# KiCad board panel.kicad_pcb (continued)
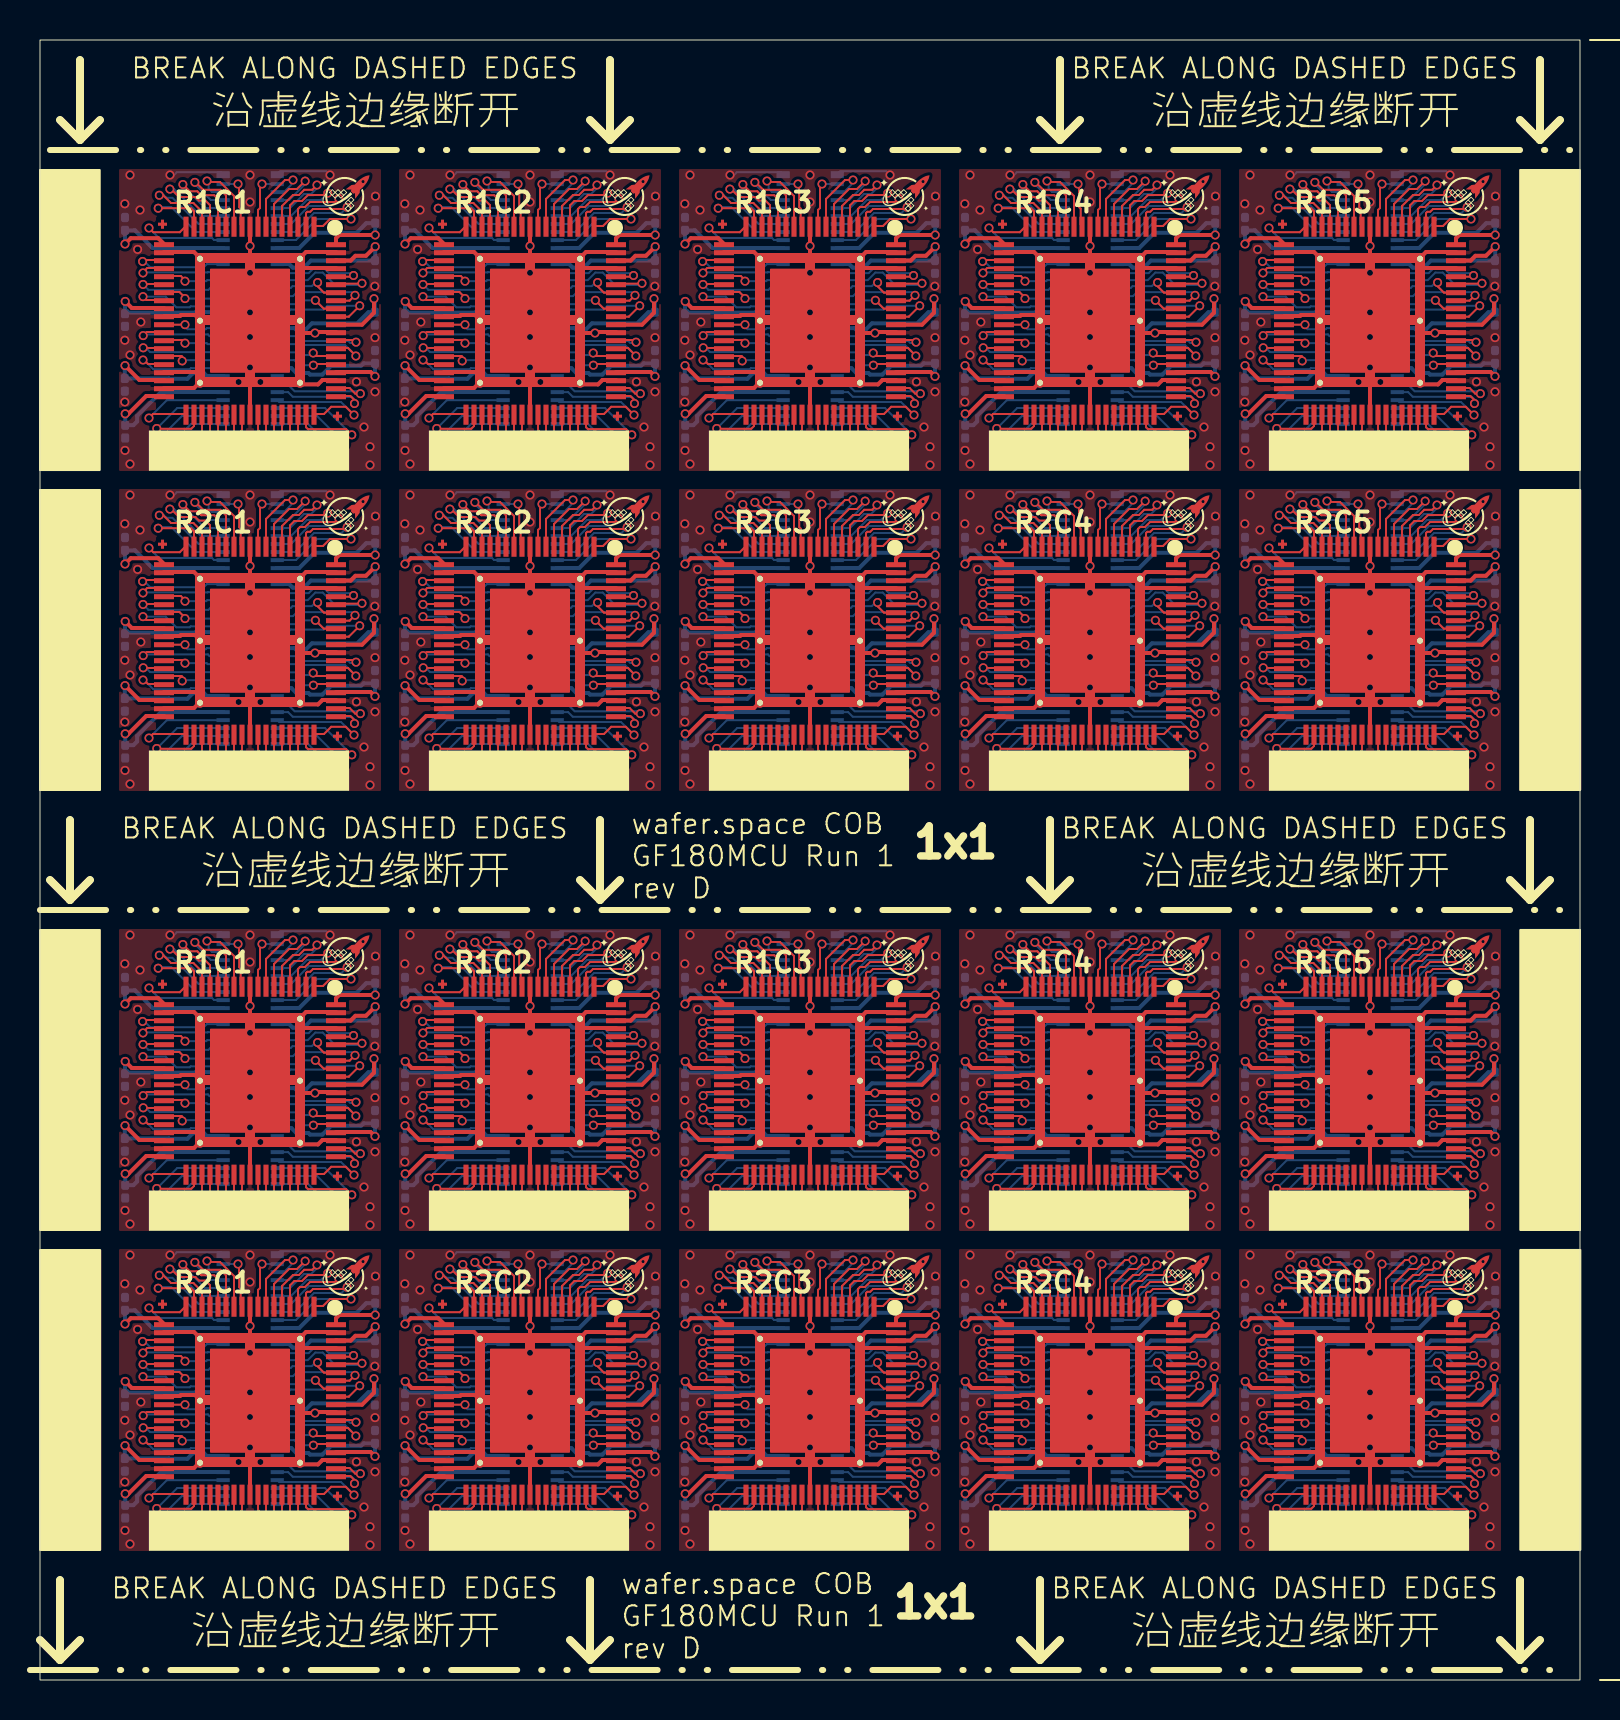
[diagram p0: board, top side]
## Routing (per net, layer and track width the routed paths; a pad name or vN(x,y) marks a point on that pad's centre or on a via; arc(x,y) is an arc through that point) (continued)
  Bottom w0.1: v1(69.66,50.35) 69.56,50.25 69,50.25 68.86,50.39 67.88,50.39 67.87,50.39 ; v1(27.66,50.35) 27.56,50.25 27,50.25 26.86,50.39 25.87,50.39 25.87,50.39 ; v1(69.66,28.35) 69.56,28.25 69,28.25 68.86,28.39 67.88,28.39 67.87,28.39 ; v1(13.66,28.35) 13.56,28.25 13,28.25 12.86,28.39 11.87,28.39 11.87,28.39 ; v1(41.66,66.35) 41.56,66.25 41,66.25 40.86,66.38 39.87,66.38 U105#2.22 ; v1(27.66,12.35) 27.56,12.25 27,12.25 26.86,12.39 25.87,12.39 25.87,12.39 ; v1(69.66,12.35) 69.56,12.25 69,12.25 68.86,12.39 67.88,12.39 67.87,12.39 ; v1(13.66,66.35) 13.56,66.25 13,66.25 12.86,66.38 11.87,66.38 U101.22 ; v1(55.66,50.35) 55.56,50.25 55,50.25 54.86,50.39 53.87,50.39 53.87,50.39 ; 53.87,12.39 53.87,12.39 54.86,12.39 55,12.25 55.56,12.25 v1(55.66,12.35) ; v1(27.66,66.35) 27.56,66.25 27,66.25 26.86,66.38 25.87,66.38 U103#2.22 ; v1(13.66,50.35) 13.56,50.25 13,50.25 12.86,50.39 11.87,50.39 11.87,50.39 ; v1(41.66,50.35) 41.56,50.25 41,50.25 40.86,50.39 39.87,50.39 39.87,50.39 ; 25.87,28.39 25.87,28.39 26.86,28.39 27,28.25 27.56,28.25 v1(27.66,28.35) ; v1(41.66,28.35) 41.56,28.25 41,28.25 40.86,28.39 39.87,28.39 39.87,28.39 ; 53.87,28.39 53.87,28.39 54.86,28.39 55,28.25 55.56,28.25 v1(55.66,28.35) ; 39.87,12.39 39.87,12.39 40.86,12.39 41,12.25 41.56,12.25 v1(41.66,12.35) ; v1(69.66,66.35) 69.56,66.25 69,66.25 68.86,66.38 67.88,66.38 U109.22 ; 11.87,12.39 11.87,12.39 12.86,12.39 13,12.25 13.56,12.25 v1(13.66,12.35) ; U107.22 53.87,66.38 54.86,66.38 55,66.25 55.56,66.25 v1(55.66,66.35)
/pad_60: length 109.2
  Top w0.1: 42.8,12.6 43.4,12.6 43.71,12.29 43.8,12.29 43.79,12.28 v1(43.79,12.2) ; v1(71.79,12.2) 71.79,12.28 71.8,12.29 71.71,12.29 71.4,12.6 70.8,12.6 ; v1(71.79,66.2) 71.79,66.28 71.8,66.29 71.71,66.29 71.4,66.6 70.8,66.6 ; 14.8,28.6 15.4,28.6 15.71,28.29 15.8,28.29 15.79,28.28 v1(15.79,28.2) ; v1(29.79,28.2) 29.79,28.28 29.8,28.29 29.71,28.29 29.4,28.6 28.8,28.6 ; v1(43.79,50.2) 43.79,50.28 43.8,50.29 43.71,50.29 43.4,50.6 42.8,50.6 ; 56.8,50.6 57.4,50.6 57.71,50.29 57.8,50.29 57.79,50.28 v1(57.79,50.2) ; v1(43.79,28.2) 43.79,28.28 43.8,28.29 43.71,28.29 43.4,28.6 42.8,28.6 ; v1(29.79,50.2) 29.79,50.28 29.8,50.29 29.71,50.29 29.4,50.6 28.8,50.6 ; v1(15.79,66.2) 15.79,66.28 15.8,66.29 15.71,66.29 15.4,66.6 14.8,66.6 ; v1(57.79,28.2) 57.79,28.28 57.8,28.29 57.71,28.29 57.4,28.6 56.8,28.6 ; 14.8,12.6 15.4,12.6 15.71,12.29 15.8,12.29 15.79,12.28 v1(15.79,12.2) ; v1(15.79,50.2) 15.79,50.28 15.8,50.29 15.71,50.29 15.4,50.6 14.8,50.6 ; 70.8,50.6 71.4,50.6 71.71,50.29 71.8,50.29 71.79,50.28 v1(71.79,50.2) ; 56.8,12.6 57.4,12.6 57.71,12.29 57.8,12.29 57.79,12.28 v1(57.79,12.2) ; 28.8,12.6 29.4,12.6 29.71,12.29 29.8,12.29 29.79,12.28 v1(29.79,12.2) ; v1(43.79,66.2) 43.79,66.28 43.8,66.29 43.71,66.29 43.4,66.6 42.8,66.6 ; 70.8,28.6 71.4,28.6 71.71,28.29 71.8,28.29 71.79,28.28 v1(71.79,28.2) ; v1(29.79,66.2) 29.79,66.28 29.8,66.29 29.71,66.29 29.4,66.6 28.8,66.6 ; 56.8,66.6 57.4,66.6 57.71,66.29 57.8,66.29 57.79,66.28 v1(57.79,66.2)
  Bottom w0.1: U111#2.21 12.95,12.8 12.99,12.75 15.25,12.75 15.71,12.29 15.8,12.29 15.79,12.28 v1(15.79,12.2) ; U119.21 68.95,12.8 69,12.75 71.25,12.75 71.71,12.29 71.8,12.29 71.79,12.28 v1(71.79,12.2) ; v1(57.79,28.2) 57.79,28.28 57.8,28.29 57.71,28.29 57.25,28.75 54.99,28.75 54.95,28.8 U107#2.21 ; U119#2.21 68.95,50.8 69,50.75 71.25,50.75 71.71,50.29 71.8,50.29 71.79,50.28 v1(71.79,50.2) ; U113.21 26.95,12.8 26.99,12.75 29.25,12.75 29.71,12.29 29.8,12.29 29.79,12.28 v1(29.79,12.2) ; U103.21 26.95,28.8 26.99,28.75 29.25,28.75 29.71,28.29 29.8,28.29 29.79,28.28 v1(29.79,28.2) ; v1(15.79,66.2) 15.79,66.28 15.8,66.29 15.71,66.29 15.25,66.75 12.99,66.75 12.95,66.8 U101.21 ; U101#2.21 12.95,28.8 12.99,28.75 15.25,28.75 15.71,28.29 15.8,28.29 15.79,28.28 v1(15.79,28.2) ; U111.21 12.95,50.8 12.99,50.75 15.25,50.75 15.71,50.29 15.8,50.29 15.79,50.28 v1(15.79,50.2) ; v1(43.79,66.2) 43.79,66.28 43.8,66.29 43.71,66.29 43.25,66.75 40.99,66.75 40.95,66.8 U105#2.21 ; v1(57.79,66.2) 57.79,66.28 57.8,66.29 57.71,66.29 57.25,66.75 54.99,66.75 54.95,66.8 U107.21 ; U105.21 40.95,28.8 40.99,28.75 43.25,28.75 43.71,28.29 43.8,28.29 43.79,28.28 v1(43.79,28.2) ; v1(29.79,66.2) 29.79,66.28 29.8,66.29 29.71,66.29 29.25,66.75 26.99,66.75 26.95,66.8 U103#2.21 ; v1(43.79,50.2) 43.79,50.28 43.8,50.29 43.71,50.29 43.25,50.75 40.99,50.75 40.95,50.8 U115.21 ; U109#2.21 68.95,28.8 69,28.75 71.25,28.75 71.71,28.29 71.8,28.29 71.79,28.28 v1(71.79,28.2) ; U117#2.21 54.95,50.8 54.99,50.75 57.25,50.75 57.71,50.29 57.8,50.29 57.79,50.28 v1(57.79,50.2) ; v1(71.79,66.2) 71.79,66.28 71.8,66.29 71.71,66.29 71.25,66.75 69,66.75 68.95,66.8 U109.21 ; v1(29.79,50.2) 29.79,50.28 29.8,50.29 29.71,50.29 29.25,50.75 26.99,50.75 26.95,50.8 U113#2.21 ; U117.21 54.95,12.8 54.99,12.75 57.25,12.75 57.71,12.29 57.8,12.29 57.79,12.28 v1(57.79,12.2) ; v1(43.79,12.2) 43.79,12.28 43.8,12.29 43.71,12.29 43.25,12.75 40.99,12.75 40.95,12.8 U115#2.21
/pad_61: length 104.4
  Top w0.1: v1(43.8,12.89) 43.8,12.9 43.71,13 42.8,13 ; v1(57.8,12.89) 57.8,12.9 57.71,13 56.8,13 ; 42.8,67 43.71,67 43.8,66.9 v1(43.8,66.89) ; 14.8,67 15.71,67 15.8,66.9 v1(15.8,66.89) ; 70.8,67 71.71,67 71.8,66.9 v1(71.8,66.89) ; v1(15.8,28.89) 15.8,28.9 15.71,29 14.8,29 ; 42.8,51 43.71,51 43.8,50.9 v1(43.8,50.89) ; v1(15.8,12.89) 15.8,12.9 15.71,13 14.8,13 ; 28.8,51 29.71,51 29.8,50.9 v1(29.8,50.89) ; 70.8,29 71.71,29 71.8,28.9 v1(71.8,28.89) ; v1(57.8,50.89) 57.8,50.9 57.71,51 56.8,51 ; 28.8,67 29.71,67 29.8,66.9 v1(29.8,66.89) ; 70.8,51 71.71,51 71.8,50.9 v1(71.8,50.89) ; 56.8,29 57.71,29 57.8,28.9 v1(57.8,28.89) ; 42.8,29 43.71,29 43.8,28.9 v1(43.8,28.89) ; 70.8,13 71.71,13 71.8,12.9 v1(71.8,12.89) ; v1(15.8,50.89) 15.8,50.9 15.71,51 14.8,51 ; v1(29.8,28.89) 29.8,28.9 29.71,29 28.8,29 ; v1(29.8,12.89) 29.8,12.9 29.71,13 28.8,13 ; 56.8,67 57.71,67 57.8,66.9 v1(57.8,66.89)
  Bottom w0.1: v1(43.8,12.89) 43.8,12.94 43.71,12.85 43.52,12.85 43.42,12.95 41.24,12.95 41,13.2 U115#2.20 ; U101.20 13,67.19 13.24,66.95 15.42,66.95 15.52,66.85 15.71,66.85 15.8,66.94 v1(15.8,66.89) ; v1(71.8,28.89) 71.8,28.94 71.71,28.85 71.52,28.85 71.42,28.95 69.24,28.95 69,29.2 U109#2.20 ; U109.20 69,67.19 69.24,66.95 71.42,66.95 71.52,66.85 71.71,66.85 71.8,66.94 v1(71.8,66.89) ; v1(29.8,12.89) 29.8,12.94 29.71,12.85 29.52,12.85 29.42,12.95 27.24,12.95 27,13.2 U113.20 ; v1(57.8,66.89) 57.8,66.94 57.71,66.85 57.52,66.85 57.42,66.95 55.24,66.95 55,67.19 U107.20 ; U113#2.20 27,51.2 27.24,50.95 29.42,50.95 29.52,50.85 29.71,50.85 29.8,50.94 v1(29.8,50.89) ; U111.20 13,51.2 13.24,50.95 15.42,50.95 15.52,50.85 15.71,50.85 15.8,50.94 v1(15.8,50.89) ; U111#2.20 13,13.2 13.24,12.95 15.42,12.95 15.52,12.85 15.71,12.85 15.8,12.94 v1(15.8,12.89) ; v1(57.8,28.89) 57.8,28.94 57.71,28.85 57.52,28.85 57.42,28.95 55.24,28.95 55,29.2 U107#2.20 ; v1(71.8,12.89) 71.8,12.94 71.71,12.85 71.52,12.85 71.42,12.95 69.24,12.95 69,13.2 U119.20 ; U105.20 41,29.2 41.24,28.95 43.42,28.95 43.52,28.85 43.71,28.85 43.8,28.94 v1(43.8,28.89) ; U103#2.20 27,67.19 27.24,66.95 29.42,66.95 29.52,66.85 29.71,66.85 29.8,66.94 v1(29.8,66.89) ; U117.20 55,13.2 55.24,12.95 57.42,12.95 57.52,12.85 57.71,12.85 57.8,12.94 v1(57.8,12.89) ; v1(43.8,50.89) 43.8,50.94 43.71,50.85 43.52,50.85 43.42,50.95 41.24,50.95 41,51.2 U115.20 ; U103.20 27,29.2 27.24,28.95 29.42,28.95 29.52,28.85 29.71,28.85 29.8,28.94 v1(29.8,28.89) ; U117#2.20 55,51.2 55.24,50.95 57.42,50.95 57.52,50.85 57.71,50.85 57.8,50.94 v1(57.8,50.89) ; U105#2.20 41,67.19 41.24,66.95 43.42,66.95 43.52,66.85 43.71,66.85 43.8,66.94 v1(43.8,66.89) ; v1(15.8,28.89) 15.8,28.94 15.71,28.85 15.52,28.85 15.42,28.95 13.24,28.95 13,29.2 U101#2.20 ; v1(71.8,50.89) 71.8,50.94 71.71,50.85 71.52,50.85 71.42,50.95 69.24,50.95 69,51.2 U119#2.20
/pad_64: length 113.3
  Top w0.1: U110.65 71.44,30.17 v1(71.99,30.71) ; U118#2.65 57.44,52.17 v1(57.99,52.71) ; v1(29.99,30.71) 29.44,30.17 U104.65 ; U108#2.65 57.44,30.17 v1(57.99,30.71) ; U114#2.65 29.44,52.17 v1(29.99,52.71) ; U112.65 15.44,14.17 v1(15.99,14.71) ; U118.65 57.44,14.17 v1(57.99,14.71) ; U110#2.65 71.44,68.16 v1(71.99,68.71) ; v1(57.99,68.71) 57.44,68.16 U108.65 ; U102.65 15.44,30.17 v1(15.99,30.71) ; v1(71.99,52.71) 71.44,52.17 U120#2.65 ; U102#2.65 15.44,68.16 v1(15.99,68.71) ; U112#2.65 15.44,52.17 v1(15.99,52.71) ; v1(43.99,68.71) 43.44,68.16 U106#2.65 ; v1(43.99,52.71) 43.44,52.17 U116#2.65 ; U120.65 71.44,14.17 v1(71.99,14.71) ; v1(29.99,68.71) 29.44,68.16 U104#2.65 ; v1(43.99,30.71) 43.44,30.17 U106.65 ; U116.65 43.44,14.17 v1(43.99,14.71) ; v1(29.99,14.71) 29.44,14.17 U114.65
  Bottom w0.1: 67.87,14.39 68.41,14.39 68.54,14.53 70.19,14.53 70.38,14.71 v1(71.99,14.71) ; v1(43.99,30.71) 42.38,30.71 42.19,30.53 40.54,30.53 40.41,30.39 39.87,30.39 ; 53.87,30.39 54.41,30.39 54.54,30.53 56.19,30.53 56.38,30.71 v1(57.99,30.71) ; 11.87,52.39 12.41,52.39 12.54,52.53 14.19,52.53 14.38,52.71 v1(15.99,52.71) ; v1(57.99,68.71) 56.38,68.71 56.19,68.53 54.54,68.53 54.41,68.4 U107.17 ; 53.87,52.39 54.41,52.39 54.54,52.53 56.19,52.53 56.38,52.71 v1(57.99,52.71) ; v1(57.99,14.71) 56.38,14.71 56.19,14.53 54.54,14.53 54.41,14.39 53.87,14.39 ; v1(29.99,68.71) 28.38,68.71 28.19,68.53 26.54,68.53 26.41,68.4 U103#2.17 ; U101.17 12.41,68.4 12.54,68.53 14.19,68.53 14.38,68.71 v1(15.99,68.71) ; U109.17 68.41,68.4 68.54,68.53 70.19,68.53 70.38,68.71 v1(71.99,68.71) ; 25.87,52.39 26.41,52.39 26.54,52.53 28.19,52.53 28.38,52.71 v1(29.99,52.71) ; 39.87,52.39 40.41,52.39 40.54,52.53 42.19,52.53 42.38,52.71 v1(43.99,52.71) ; v1(43.99,14.71) 42.38,14.71 42.19,14.53 40.54,14.53 40.41,14.39 39.87,14.39 ; v1(71.99,52.71) 70.38,52.71 70.19,52.53 68.54,52.53 68.41,52.39 67.87,52.39 ; v1(15.99,30.71) 14.38,30.71 14.19,30.53 12.54,30.53 12.41,30.39 11.87,30.39 ; v1(29.99,30.71) 28.38,30.71 28.19,30.53 26.54,30.53 26.41,30.39 25.87,30.39 ; 67.87,30.39 68.41,30.39 68.54,30.53 70.19,30.53 70.38,30.71 v1(71.99,30.71) ; U105#2.17 40.41,68.4 40.54,68.53 42.19,68.53 42.38,68.71 v1(43.99,68.71) ; v1(15.99,14.71) 14.38,14.71 14.19,14.53 12.54,14.53 12.41,14.39 11.87,14.39 ; 25.87,14.39 26.41,14.39 26.54,14.53 28.19,14.53 28.38,14.71 v1(29.99,14.71)
/pad_65: length 63.8
  Top w0.1: U118.66 56.19,14.56 v1(55.77,14.98) ; U102#2.66 14.19,68.56 v1(13.77,68.98) ; U102.66 14.19,30.56 v1(13.77,30.98) ; U114#2.66 28.19,52.56 v1(27.77,52.98) ; v1(69.77,52.98) 70.19,52.56 U120#2.66 ; U104#2.66 28.19,68.56 v1(27.77,68.98) ; v1(69.77,68.98) 70.19,68.56 U110#2.66 ; U106.66 42.19,30.56 v1(41.77,30.98) ; v1(55.77,68.98) 56.19,68.56 U108.66 ; U116.66 42.19,14.56 v1(41.77,14.98) ; v1(13.77,52.98) 14.19,52.56 U112#2.66 ; U110.66 70.19,30.56 v1(69.77,30.98) ; U114.66 28.19,14.56 v1(27.77,14.98) ; v1(13.77,14.98) 14.19,14.56 U112.66 ; U104.66 28.19,30.56 v1(27.77,30.98) ; U120.66 70.19,14.56 v1(69.77,14.98) ; U106#2.66 42.19,68.56 v1(41.77,68.98) ; U116#2.66 42.19,52.56 v1(41.77,52.98) ; U118#2.66 56.19,52.56 v1(55.77,52.98) ; U108#2.66 56.19,30.56 v1(55.77,30.98)
  Bottom w0.1: U109#2.16 68.9,30.8 69.09,30.98 v1(69.77,30.98) ; v1(69.77,52.98) 69.09,52.98 68.9,52.8 U119#2.16 ; v1(55.77,52.98) 55.09,52.98 54.9,52.8 U117#2.16 ; v1(41.77,52.98) 41.09,52.98 40.9,52.8 U115.16 ; v1(69.77,68.98) 69.09,68.98 68.9,68.8 U109.16 ; v1(13.77,14.98) 13.09,14.98 12.9,14.8 U111#2.16 ; U119.16 68.9,14.8 69.09,14.98 v1(69.77,14.98) ; U113#2.16 26.9,52.8 27.09,52.98 v1(27.77,52.98) ; U105.16 40.9,30.8 41.09,30.98 v1(41.77,30.98) ; v1(55.77,68.98) 55.09,68.98 54.9,68.8 U107.16 ; U103.16 26.9,30.8 27.09,30.98 v1(27.77,30.98) ; U115#2.16 40.9,14.8 41.09,14.98 v1(41.77,14.98) ; U103#2.16 26.9,68.8 27.09,68.98 v1(27.77,68.98) ; U107#2.16 54.9,30.8 55.09,30.98 v1(55.77,30.98) ; U111.16 12.9,52.8 13.09,52.98 v1(13.77,52.98) ; U101.16 12.9,68.8 13.09,68.98 v1(13.77,68.98) ; U117.16 54.9,14.8 55.09,14.98 v1(55.77,14.98) ; U105#2.16 40.9,68.8 41.09,68.98 v1(41.77,68.98) ; v1(13.77,30.98) 13.09,30.98 12.9,30.8 U101#2.16 ; U113.16 26.9,14.8 27.09,14.98 v1(27.77,14.98)
/pad_66: length 101.9
  Top w0.1: U108.67 57.48,68.97 v1(57.75,69.23) ; v1(43.75,31.23) 43.48,30.97 U106.67 ; U120.67 71.48,14.97 v1(71.75,15.23) ; U108#2.67 57.48,30.97 v1(57.75,31.23) ; U118.67 57.48,14.97 v1(57.75,15.23) ; v1(15.75,31.23) 15.48,30.97 U102.67 ; v1(29.75,69.23) 29.48,68.97 U104#2.67 ; U120#2.67 71.48,52.97 v1(71.75,53.23) ; v1(15.75,69.23) 15.48,68.97 U102#2.67 ; U110.67 71.48,30.97 v1(71.75,31.23) ; U110#2.67 71.48,68.97 v1(71.75,69.23) ; U116#2.67 43.48,52.97 v1(43.75,53.23) ; v1(43.75,15.23) 43.48,14.97 U116.67 ; v1(29.75,15.23) 29.48,14.97 U114.67 ; v1(29.75,53.23) 29.48,52.97 U114#2.67 ; U112.67 15.48,14.97 v1(15.75,15.23) ; v1(29.75,31.23) 29.48,30.97 U104.67 ; U106#2.67 43.48,68.97 v1(43.75,69.23) ; v1(15.75,53.23) 15.48,52.97 U112#2.67 ; U118#2.67 57.48,52.97 v1(57.75,53.23)
  Bottom w0.1: v1(29.75,53.23) 29.59,53.39 26.85,53.39 26.65,53.2 U113#2.15 ; U105#2.15 40.65,69.19 40.85,69.4 43.59,69.4 v1(43.75,69.23) ; v1(71.75,69.23) 71.59,69.4 68.85,69.4 68.65,69.19 U109.15 ; U105.15 40.65,31.2 40.85,31.39 43.59,31.39 v1(43.75,31.23) ; v1(15.75,31.23) 15.59,31.39 12.85,31.39 12.65,31.2 U101#2.15 ; U117#2.15 54.65,53.2 54.85,53.39 57.59,53.39 v1(57.75,53.23) ; U109#2.15 68.65,31.2 68.85,31.39 71.59,31.39 v1(71.75,31.23) ; v1(43.75,15.23) 43.59,15.39 40.85,15.39 40.65,15.2 U115#2.15 ; v1(15.75,69.23) 15.59,69.4 12.85,69.4 12.65,69.19 U101.15 ; U115.15 40.65,53.2 40.85,53.39 43.59,53.39 v1(43.75,53.23) ; U117.15 54.65,15.2 54.85,15.39 57.59,15.39 v1(57.75,15.23) ; U107.15 54.65,69.19 54.85,69.4 57.59,69.4 v1(57.75,69.23) ; v1(71.75,53.23) 71.59,53.39 68.85,53.39 68.65,53.2 U119#2.15 ; v1(29.75,69.23) 29.59,69.4 26.85,69.4 26.65,69.19 U103#2.15 ; U111.15 12.65,53.2 12.85,53.39 15.59,53.39 v1(15.75,53.23) ; U111#2.15 12.65,15.2 12.85,15.39 15.59,15.39 v1(15.75,15.23) ; v1(29.75,15.23) 29.59,15.39 26.85,15.39 26.65,15.2 U113.15 ; U103.15 26.65,31.2 26.85,31.39 29.59,31.39 v1(29.75,31.23) ; v1(71.75,15.23) 71.59,15.39 68.85,15.39 68.65,15.2 U119.15 ; v1(57.75,31.23) 57.59,31.39 54.85,31.39 54.65,31.2 U107#2.15
/pad_67: length 67.5
  Top w0.1: U106#2.68 42.2,69.37 41.88,69.69 v1(41.88,69.88) ; v1(55.88,31.88) 55.88,31.69 56.2,31.36 U108#2.68 ; U118.68 56.2,15.36 55.88,15.69 v1(55.88,15.88) ; v1(55.88,69.88) 55.88,69.69 56.2,69.37 U108.68 ; U106.68 42.2,31.36 41.88,31.69 v1(41.88,31.88) ; U110.68 70.2,31.36 69.88,31.69 v1(69.88,31.88) ; v1(41.88,15.88) 41.88,15.69 42.2,15.36 U116.68 ; U110#2.68 70.2,69.37 69.88,69.69 v1(69.88,69.88) ; v1(27.88,53.88) 27.88,53.69 28.2,53.36 U114#2.68 ; v1(27.88,31.88) 27.88,31.69 28.2,31.36 U104.68 ; U104#2.68 28.2,69.37 27.88,69.69 v1(27.88,69.88) ; v1(55.88,53.88) 55.88,53.69 56.2,53.36 U118#2.68 ; U120#2.68 70.2,53.36 69.88,53.69 v1(69.88,53.88) ; v1(27.88,15.88) 27.88,15.69 28.2,15.36 U114.68 ; U120.68 70.2,15.36 69.88,15.69 v1(69.88,15.88) ; U102#2.68 14.2,69.37 13.88,69.69 v1(13.88,69.88) ; U102.68 14.2,31.36 13.88,31.69 v1(13.88,31.88) ; U112.68 14.2,15.36 13.88,15.69 v1(13.88,15.88) ; v1(41.88,53.88) 41.88,53.69 42.2,53.36 U116#2.68 ; U112#2.68 14.2,53.36 13.88,53.69 v1(13.88,53.88)
  Bottom w0.1: v1(55.88,53.88) 55.77,53.88 55.59,53.7 54.63,53.7 54.54,53.61 53.87,53.61 U117#2.14 ; U113.14 25.87,15.61 26.54,15.61 26.63,15.7 27.59,15.7 27.77,15.88 v1(27.88,15.88) ; U101.14 11.87,69.61 12.54,69.61 12.63,69.69 13.59,69.69 13.77,69.88 v1(13.88,69.88) ; U113#2.14 25.87,53.61 26.54,53.61 26.63,53.7 27.59,53.7 27.77,53.88 v1(27.88,53.88) ; v1(55.88,69.88) 55.77,69.88 55.59,69.69 54.63,69.69 54.54,69.61 53.87,69.61 U107.14 ; U115.14 39.87,53.61 40.54,53.61 40.63,53.7 41.59,53.7 41.77,53.88 v1(41.88,53.88) ; U109.14 67.88,69.61 68.54,69.61 68.63,69.69 69.59,69.69 69.77,69.88 v1(69.88,69.88) ; v1(41.88,31.88) 41.77,31.88 41.59,31.7 40.63,31.7 40.54,31.61 39.87,31.61 U105.14 ; U115#2.14 39.87,15.61 40.54,15.61 40.63,15.7 41.59,15.7 41.77,15.88 v1(41.88,15.88) ; v1(13.88,15.88) 13.77,15.88 13.59,15.7 12.63,15.7 12.54,15.61 11.87,15.61 U111#2.14 ; U119#2.14 67.88,53.61 68.54,53.61 68.63,53.7 69.59,53.7 69.77,53.88 v1(69.88,53.88) ; v1(55.88,15.88) 55.77,15.88 55.59,15.7 54.63,15.7 54.54,15.61 53.87,15.61 U117.14 ; v1(55.88,31.88) 55.77,31.88 55.59,31.7 54.63,31.7 54.54,31.61 53.87,31.61 U107#2.14 ; v1(27.88,69.88) 27.77,69.88 27.59,69.69 26.63,69.69 26.54,69.61 25.87,69.61 U103#2.14 ; v1(41.88,69.88) 41.77,69.88 41.59,69.69 40.63,69.69 40.54,69.61 39.87,69.61 U105#2.14 ; v1(27.88,31.88) 27.77,31.88 27.59,31.7 26.63,31.7 26.54,31.61 25.87,31.61 U103.14 ; U101#2.14 11.87,31.61 12.54,31.61 12.63,31.7 13.59,31.7 13.77,31.88 v1(13.88,31.88) ; U111.14 11.87,53.61 12.54,53.61 12.63,53.7 13.59,53.7 13.77,53.88 v1(13.88,53.88) ; v1(69.88,31.88) 69.77,31.88 69.59,31.7 68.63,31.7 68.54,31.61 67.88,31.61 U109#2.14 ; v1(69.88,15.88) 69.77,15.88 69.59,15.7 68.63,15.7 68.54,15.61 67.88,15.61 U119.14
/pad_68: length 120.2
  Top w0.1: U106#2.69 42.85,69.81 44.08,69.81 v1(44.1,69.84) ; U114#2.69 28.85,53.81 30.08,53.81 v1(30.1,53.84) ; v1(72.1,31.84) 72.08,31.81 70.85,31.81 U110.69 ; U104.69 28.85,31.81 30.08,31.81 v1(30.1,31.84) ; U108.69 56.85,69.81 58.08,69.81 v1(58.1,69.84) ; v1(72.1,53.84) 72.08,53.81 70.85,53.81 U120#2.69 ; v1(44.1,31.84) 44.08,31.81 42.85,31.81 U106.69 ; v1(16.1,53.84) 16.08,53.81 14.85,53.81 U112#2.69 ; v1(30.1,15.84) 30.08,15.81 28.85,15.81 U114.69 ; U108#2.69 56.85,31.81 58.08,31.81 v1(58.1,31.84) ; U104#2.69 28.85,69.81 30.08,69.81 v1(30.1,69.84) ; U116.69 42.85,15.81 44.08,15.81 v1(44.1,15.84) ; v1(44.1,53.84) 44.08,53.81 42.85,53.81 U116#2.69 ; U112.69 14.85,15.81 16.08,15.81 v1(16.1,15.84) ; U120.69 70.85,15.81 72.08,15.81 v1(72.1,15.84) ; U110#2.69 70.85,69.81 72.08,69.81 v1(72.1,69.84) ; v1(16.1,69.84) 16.08,69.81 14.85,69.81 U102#2.69 ; v1(58.1,15.84) 58.08,15.81 56.85,15.81 U118.69 ; v1(58.1,53.84) 58.08,53.81 56.85,53.81 U118#2.69 ; v1(16.1,31.84) 16.08,31.81 14.85,31.81 U102.69
  Bottom w0.1: v1(58.1,53.84) 58.01,53.75 56.76,53.75 56.14,54.37 55.76,54.37 55.39,54 U117#2.13 ; U119.13 69.39,16 69.77,16.37 70.14,16.37 70.76,15.75 72.01,15.75 v1(72.1,15.84) ; v1(44.1,69.84) 44.01,69.75 42.76,69.75 42.14,70.37 41.76,70.37 41.39,70 U105#2.13 ; U113#2.13 27.39,54 27.76,54.37 28.14,54.37 28.76,53.75 30.01,53.75 v1(30.1,53.84) ; U107#2.13 55.39,32 55.76,32.37 56.14,32.37 56.76,31.75 58.01,31.75 v1(58.1,31.84) ; v1(16.1,69.84) 16.01,69.75 14.76,69.75 14.14,70.37 13.76,70.37 13.39,70 U101.13 ; U115#2.13 41.39,16 41.76,16.37 42.14,16.37 42.76,15.75 44.01,15.75 v1(44.1,15.84) ; U107.13 55.39,70 55.76,70.37 56.14,70.37 56.76,69.75 58.01,69.75 v1(58.1,69.84) ; v1(44.1,53.84) 44.01,53.75 42.76,53.75 42.14,54.37 41.76,54.37 41.39,54 U115.13 ; U113.13 27.39,16 27.76,16.37 28.14,16.37 28.76,15.75 30.01,15.75 v1(30.1,15.84) ; U103.13 27.39,32 27.76,32.37 28.14,32.37 28.76,31.75 30.01,31.75 v1(30.1,31.84) ; U109.13 69.39,70 69.77,70.37 70.14,70.37 70.76,69.75 72.01,69.75 v1(72.1,69.84) ; U119#2.13 69.39,54 69.77,54.37 70.14,54.37 70.76,53.75 72.01,53.75 v1(72.1,53.84) ; v1(30.1,69.84) 30.01,69.75 28.76,69.75 28.14,70.37 27.76,70.37 27.39,70 U103#2.13 ; U111.13 13.39,54 13.76,54.37 14.14,54.37 14.76,53.75 16.01,53.75 v1(16.1,53.84) ; v1(16.1,31.84) 16.01,31.75 14.76,31.75 14.14,32.37 13.76,32.37 13.39,32 U101#2.13 ; U111#2.13 13.39,16 13.76,16.37 14.14,16.37 14.76,15.75 16.01,15.75 v1(16.1,15.84) ; v1(44.1,31.84) 44.01,31.75 42.76,31.75 42.14,32.37 41.76,32.37 41.39,32 U105.13 ; U109#2.13 69.39,32 69.77,32.37 70.14,32.37 70.76,31.75 72.01,31.75 v1(72.1,31.84) ; v1(58.1,15.84) 58.01,15.75 56.76,15.75 56.14,16.37 55.76,16.37 55.39,16 U117.13
/pad_69: length 99.3
  Top w0.1: U120#2.70 71.61,54.17 v1(71.68,54.23) ; v1(43.68,70.23) 43.61,70.16 U106#2.70 ; U116.70 43.61,16.17 v1(43.68,16.23) ; U120.70 71.61,16.17 v1(71.68,16.23) ; v1(43.68,32.23) 43.61,32.17 U106.70 ; U118#2.70 57.61,54.17 v1(57.68,54.23) ; v1(29.68,16.23) 29.61,16.17 U114.70 ; U114#2.70 29.61,54.17 v1(29.68,54.23) ; U112#2.70 15.61,54.17 v1(15.68,54.23) ; v1(29.68,32.23) 29.61,32.17 U104.70 ; v1(15.68,16.23) 15.61,16.17 U112.70 ; v1(15.68,70.23) 15.61,70.16 U102#2.70 ; v1(57.68,32.23) 57.61,32.17 U108#2.70 ; v1(57.68,16.23) 57.61,16.17 U118.70 ; U116#2.70 43.61,54.17 v1(43.68,54.23) ; v1(29.68,70.23) 29.61,70.16 U104#2.70 ; v1(71.68,32.23) 71.61,32.17 U110.70 ; U110#2.70 71.61,70.16 v1(71.68,70.23) ; v1(57.68,70.23) 57.61,70.16 U108.70 ; v1(15.68,32.23) 15.61,32.17 U102.70
  Bottom w0.1: v1(57.68,54.23) 57.56,54.34 56.44,54.34 56.22,54.57 55.66,54.57 55.44,54.34 53.91,54.34 53.87,54.39 ; v1(29.68,32.23) 29.56,32.34 28.44,32.34 28.22,32.57 27.66,32.57 27.44,32.34 25.91,32.34 25.87,32.39 ; U103#2.12 25.91,70.34 27.44,70.34 27.66,70.57 28.22,70.57 28.44,70.34 29.56,70.34 v1(29.68,70.23) ; U109.12 67.92,70.34 69.44,70.34 69.66,70.57 70.22,70.57 70.44,70.34 71.56,70.34 v1(71.68,70.23) ; 67.87,32.39 67.92,32.34 69.44,32.34 69.66,32.57 70.22,32.57 70.44,32.34 71.56,32.34 v1(71.68,32.23) ; 39.87,32.39 39.91,32.34 41.44,32.34 41.66,32.57 42.22,32.57 42.44,32.34 43.56,32.34 v1(43.68,32.23) ; v1(15.68,32.23) 15.56,32.34 14.44,32.34 14.22,32.57 13.66,32.57 13.44,32.34 11.91,32.34 11.87,32.39 ; v1(43.68,70.23) 43.56,70.34 42.44,70.34 42.22,70.57 41.66,70.57 41.44,70.34 39.91,70.34 U105#2.12 ; U107.12 53.91,70.34 55.44,70.34 55.66,70.57 56.22,70.57 56.44,70.34 57.56,70.34 v1(57.68,70.23) ; v1(29.68,16.23) 29.56,16.34 28.44,16.34 28.22,16.57 27.66,16.57 27.44,16.34 25.91,16.34 25.87,16.39 ; 67.87,16.39 67.92,16.34 69.44,16.34 69.66,16.57 70.22,16.57 70.44,16.34 71.56,16.34 v1(71.68,16.23) ; v1(57.68,16.23) 57.56,16.34 56.44,16.34 56.22,16.57 55.66,16.57 55.44,16.34 53.91,16.34 53.87,16.39 ; 53.87,32.39 53.91,32.34 55.44,32.34 55.66,32.57 56.22,32.57 56.44,32.34 57.56,32.34 v1(57.68,32.23) ; v1(43.68,16.23) 43.56,16.34 42.44,16.34 42.22,16.57 41.66,16.57 41.44,16.34 39.91,16.34 39.87,16.39 ; 39.87,54.39 39.91,54.34 41.44,54.34 41.66,54.57 42.22,54.57 42.44,54.34 43.56,54.34 v1(43.68,54.23) ; v1(15.68,16.23) 15.56,16.34 14.44,16.34 14.22,16.57 13.66,16.57 13.44,16.34 11.91,16.34 11.87,16.39 ; 11.87,54.39 11.91,54.34 13.44,54.34 13.66,54.57 14.22,54.57 14.44,54.34 15.56,54.34 v1(15.68,54.23) ; 67.87,54.39 67.92,54.34 69.44,54.34 69.66,54.57 70.22,54.57 70.44,54.34 71.56,54.34 v1(71.68,54.23) ; v1(29.68,54.23) 29.56,54.34 28.44,54.34 28.22,54.57 27.66,54.57 27.44,54.34 25.91,54.34 25.87,54.39 ; U101.12 11.91,70.34 13.44,70.34 13.66,70.57 14.22,70.57 14.44,70.34 15.56,70.34 v1(15.68,70.23)
PWR_AUX_0: length 152.9
  Top w0.2: v1(60.26,30.93) 60.59,30.6 62.2,30.6 ; v1(32.26,68.93) 32.59,68.6 34.2,68.6 ; v1(32.26,30.93) 32.59,30.6 34.2,30.6 ; v1(32.26,14.93) 32.59,14.6 34.2,14.6 ; v1(18.26,52.93) 18.59,52.6 20.2,52.6 ; 62.2,68.6 60.59,68.6 v1(60.26,68.93) ; 20.2,30.6 18.59,30.6 v1(18.26,30.93) ; 62.2,14.6 60.59,14.6 v1(60.26,14.93) ; 48.2,68.6 46.59,68.6 v1(46.26,68.93) ; 20.2,68.6 18.59,68.6 v1(18.26,68.93) ; 48.2,14.6 46.59,14.6 v1(46.26,14.93) ; 20.2,14.6 18.59,14.6 v1(18.26,14.93) ; 6.2,14.6 4.59,14.6 v1(4.26,14.93) ; v1(4.26,30.93) 4.59,30.6 6.2,30.6 ; v1(60.26,52.93) 60.59,52.6 62.2,52.6 ; 48.2,30.6 46.59,30.6 v1(46.26,30.93) ; v1(4.26,52.93) 4.59,52.6 6.2,52.6 ; v1(4.26,68.93) 4.59,68.6 6.2,68.6 ; v1(32.26,52.93) 32.59,52.6 34.2,52.6 ; v1(46.26,52.93) 46.59,52.6 48.2,52.6
  Bottom w0.2: v1(32.26,52.93) 32.25,52.92 C161#2.1 32.3,52.37 35.77,52.37 35.81,52.42 36.19,52.42 36.21,52.39 37.15,52.39 ; 37.15,30.39 36.21,30.39 36.19,30.42 35.81,30.42 35.77,30.37 32.3,30.37 C121#2.1 32.25,30.92 v1(32.26,30.93) ; 9.15,14.39 8.21,14.39 8.19,14.42 7.81,14.42 7.77,14.37 4.3,14.37 C145.1 4.25,14.92 v1(4.26,14.93) ; 65.16,14.39 64.21,14.39 64.19,14.42 63.81,14.42 63.77,14.37 60.3,14.37 C177.1 60.25,14.92 v1(60.26,14.93) ; v1(32.26,14.93) 32.25,14.92 C161.1 32.3,14.37 35.77,14.37 35.81,14.42 36.19,14.42 36.21,14.39 37.15,14.39 ; U105#2.54 36.21,68.4 36.19,68.42 35.81,68.42 35.77,68.37 32.3,68.37 C121.1 32.25,68.92 v1(32.26,68.93) ; v1(4.26,30.93) 4.25,30.92 C105.1 4.3,30.37 7.77,30.37 7.81,30.42 8.19,30.42 8.21,30.39 9.15,30.39 ; v1(46.26,30.93) 46.25,30.92 C129#2.1 46.3,30.37 49.77,30.37 49.81,30.42 50.19,30.42 50.21,30.39 51.15,30.39 ; 65.16,30.39 64.21,30.39 64.19,30.42 63.81,30.42 63.77,30.37 60.3,30.37 C137#2.1 60.25,30.92 v1(60.26,30.93) ; v1(18.26,68.93) 18.25,68.92 C113.1 18.3,68.37 21.77,68.37 21.81,68.42 22.19,68.42 22.21,68.4 U103#2.54 ; 9.15,52.39 8.21,52.39 8.19,52.42 7.81,52.42 7.77,52.37 4.3,52.37 C145#2.1 4.25,52.92 v1(4.26,52.93) ; 65.16,52.39 64.21,52.39 64.19,52.42 63.81,52.42 63.77,52.37 60.3,52.37 C177#2.1 60.25,52.92 v1(60.26,52.93) ; 23.15,52.39 22.21,52.39 22.19,52.42 21.81,52.42 21.77,52.37 18.3,52.37 C153.1 18.25,52.92 v1(18.26,52.93) ; 51.15,52.39 50.21,52.39 50.19,52.42 49.81,52.42 49.77,52.37 46.3,52.37 C169#2.1 46.25,52.92 v1(46.26,52.93) ; v1(60.26,68.93) 60.25,68.92 C137.1 60.3,68.37 63.77,68.37 63.81,68.42 64.19,68.42 64.21,68.4 U109.54 ; 23.15,14.39 22.21,14.39 22.19,14.42 21.81,14.42 21.77,14.37 18.3,14.37 C153#2.1 18.25,14.92 v1(18.26,14.93) ; v1(4.26,68.93) 4.25,68.92 C105#2.1 4.3,68.37 7.77,68.37 7.81,68.42 8.19,68.42 8.21,68.4 U101.54 ; 51.15,14.39 50.21,14.39 50.19,14.42 49.81,14.42 49.77,14.37 46.3,14.37 C169.1 46.25,14.92 v1(46.26,14.93) ; v1(46.26,68.93) 46.25,68.92 C129.1 46.3,68.37 49.77,68.37 49.81,68.42 50.19,68.42 50.21,68.4 U107.54 ; v1(18.26,30.93) 18.25,30.92 C113#2.1 18.3,30.37 21.77,30.37 21.81,30.42 22.19,30.42 22.21,30.39 23.15,30.39
